# Altium PCB PCB_3U_DAC.PCBDOC (part 8 of 9) (continued)
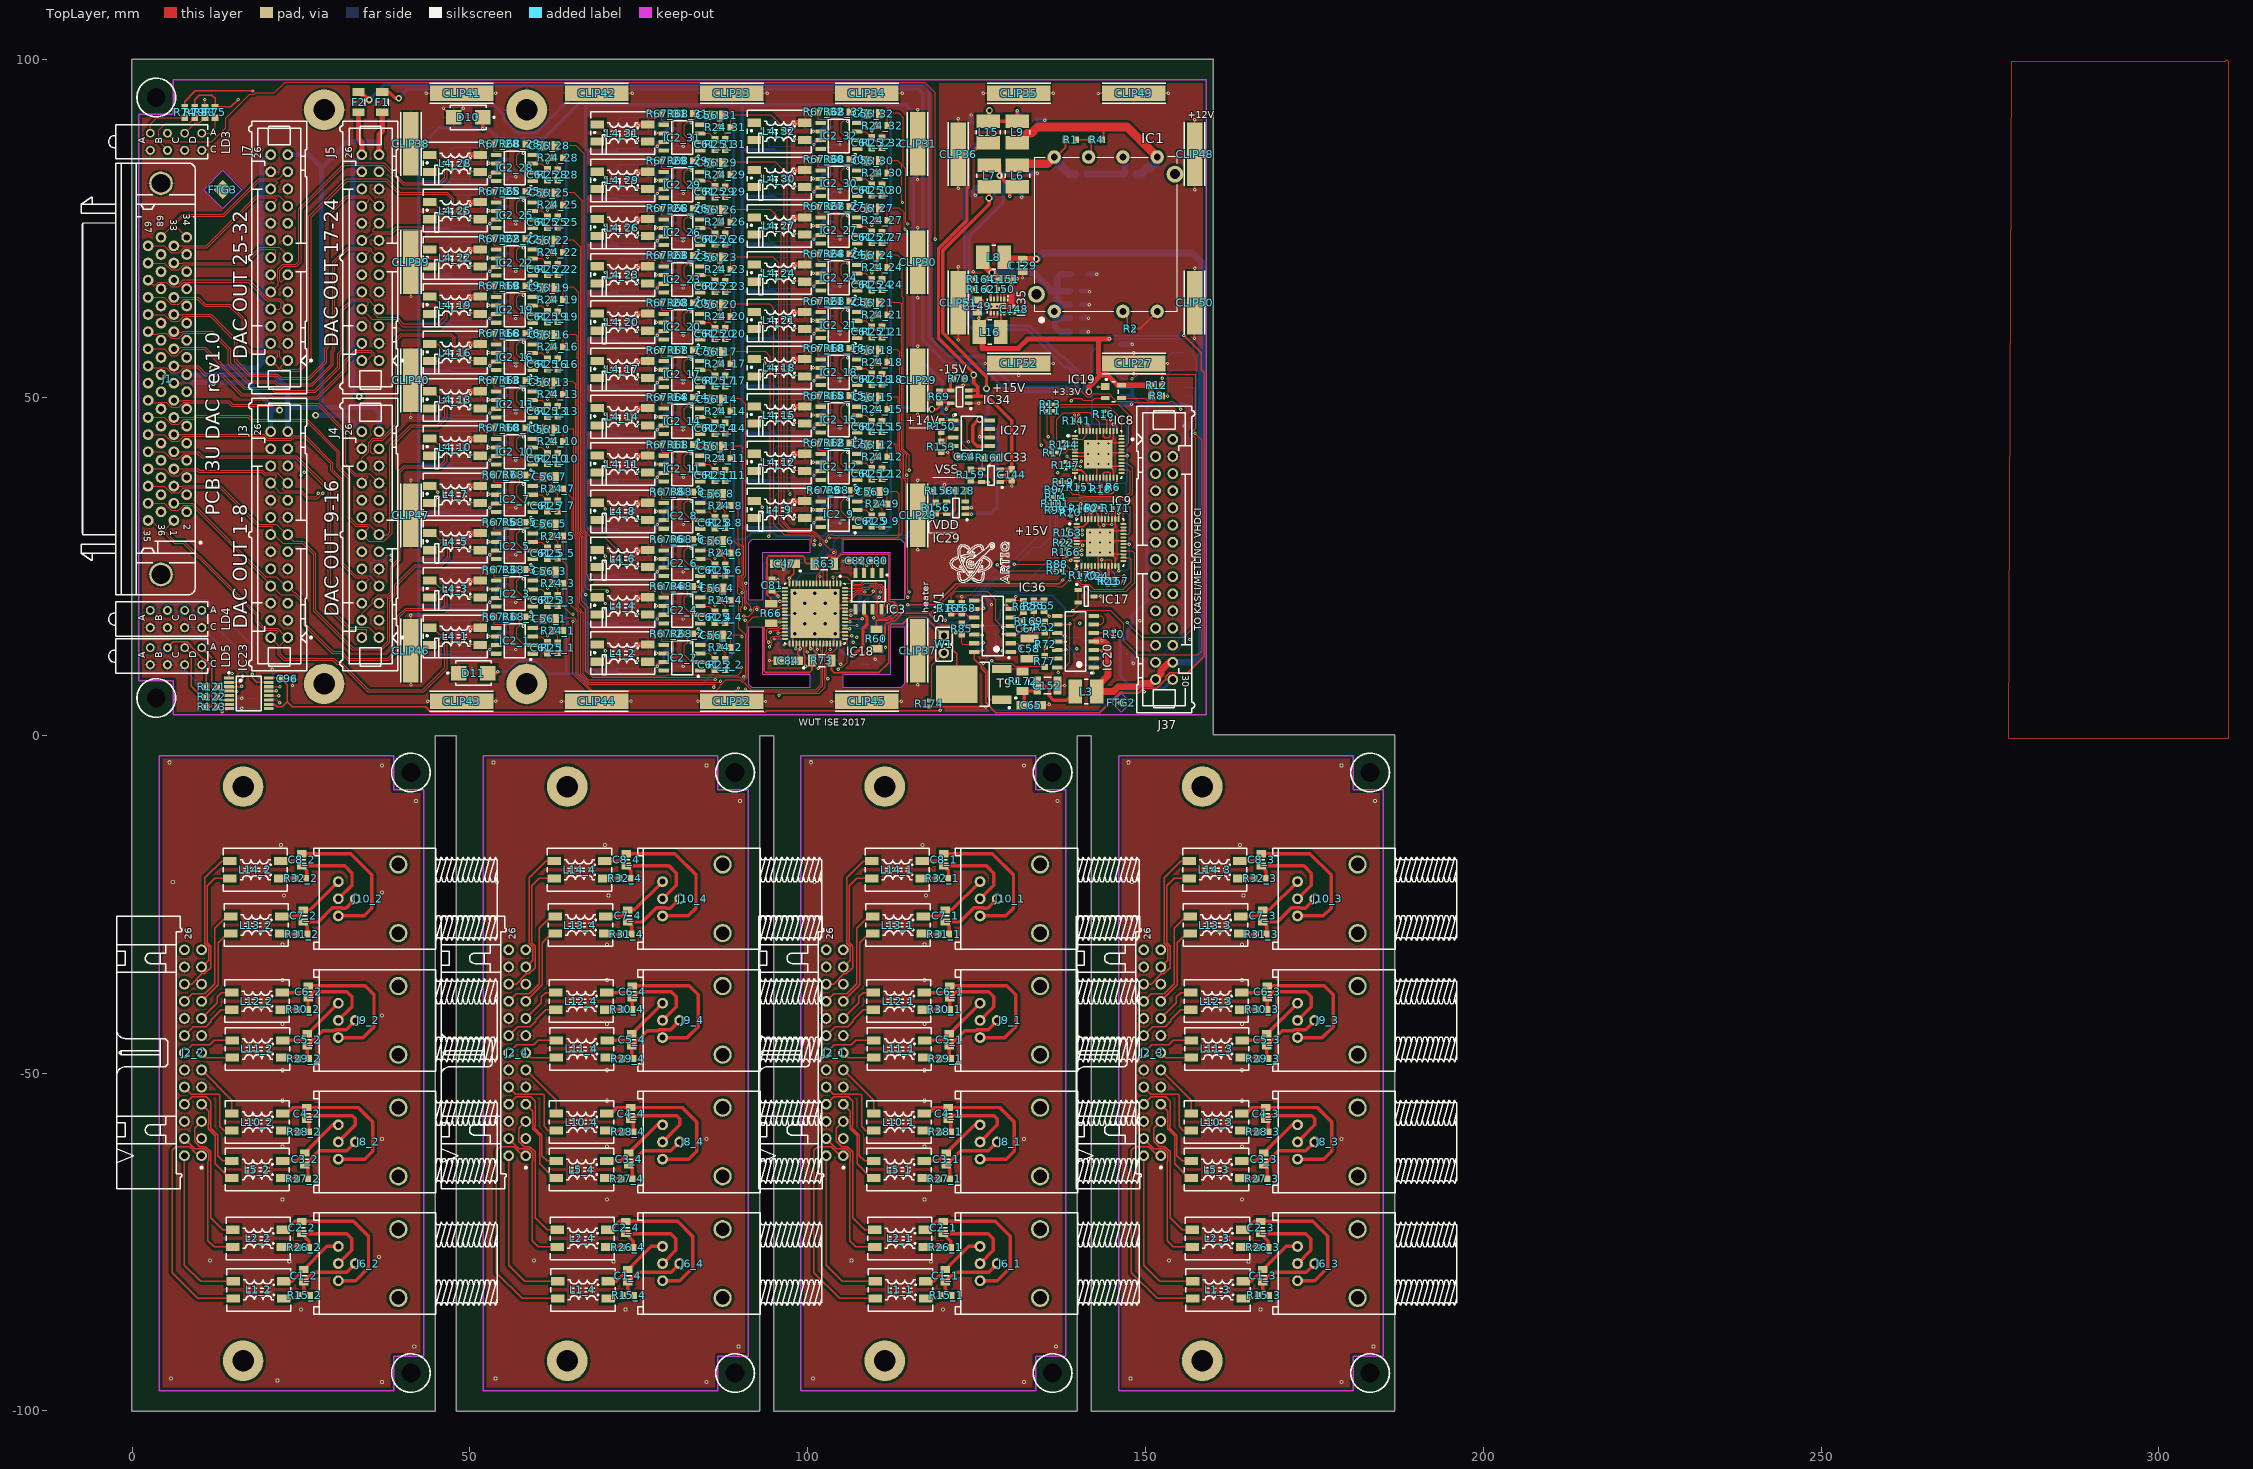
[diagram p0: TopLayer view]
## Nets (pads, with @x,y where several pads share a name; then routed paths per layer and width w, separated by ;. In a path a pad name is that pad's centre, name@x,y a point inside that pad or via, vN(x,y) a via of type N, cw(c..) or ccw(c..) an arc to the next point about the centre after c; other vN are vias at no path point) (continued)
P12V0: C66.2 C67.2 C129.2 IC20.4 IC36.4 J37.28 J37.29 L3.2 L8.2 R56.2 R165.2 R169.1 | length 149.6
  TopLayer w0.127: R165.2@121.256,19.593 121.256,20.633 121.904,21.281 126.563,21.281 127.813,20.031 127.813,17.031 v1(128.873,15.971) ; v1@128.873,16.158 IC36.4@130.08,16.158 131.569,16.158 C67.2@131.982,15.745 131.982,16.792 R169.1@131.886,16.888 ; v1@143.498,13.967 v1(143.562,14.031)
  TopLayer w1: L8.2@129.188,70.531 132.002,70.531 C129.2@132.051,70.482 ; C129.2@131.838,70.431 v4@133.956,70.431 ; IC20.4@142.592,13.967 143.498,13.967 143.735,13.967 144.44,13.262 144.44,8.83 L3.2@142.795,7.185 ; L3.2@142.795,6.474 L3.2@142.795,7.185 ; J37.28@154.276,10.919 153.639,10.919 152.275,9.556 152.275,9.046 150.903,7.673 149.33,7.673 148.852,7.195 146.005,7.195 145.285,6.474 143.506,6.474 L3.2@142.795,7.185
  BottomLayer w0.127: v1(128.873,15.971) 130.369,14.475 137.653,14.475 137.834,14.295 138.36,14.295 138.596,14.531 140.034,14.531 140.534,14.031 142.211,14.031 v1(143.562,14.031)
  BottomLayer w1: v4@133.956,70.482 134.845,71.371 156.943,71.371 158.271,70.042 158.271,12.189 156.873,10.791 J37.28@154.033,10.791
  other v4: 133.811,70.508
P12V0A: C64.2 C90_1.1 C90_2.1 C90_3.1 C90_4.1 C90_5.1 C90_6.1 C90_7.1 C90_8.1 C90_9.1 C90_10.1 C90_11.1 C90_12.1 C90_13.1 C90_14.1 C90_15.1 C90_16.1 C90_17.1 C90_18.1 C90_19.1 C90_20.1 C90_21.1 C90_22.1 C90_23.1 C90_24.1 C90_25.1 C90_26.1 C90_27.1 C90_28.1 C90_29.1 C90_30.1 C90_31.1 C90_32.1 C91_1.2 C91_2.2 C91_3.2 C91_4.2 C91_5.2 C91_6.2 C91_7.2 C91_8.2 C91_9.2 C91_10.2 C91_11.2 C91_12.2 C91_13.2 C91_14.2 C91_15.2 C91_16.2 C91_17.2 C91_18.2 C91_19.2 C91_20.2 C91_21.2 C91_22.2 C91_23.2 C91_24.2 C91_25.2 C91_26.2 C91_27.2 C91_28.2 C91_29.2 C91_30.2 C91_31.2 C91_32.2 C124.1 D5_1.2 D5_2.2 D5_3.2 D5_4.2 D5_5.2 D5_6.2 D5_7.2 D5_8.2 D5_9.2 D5_10.2 D5_11.2 D5_12.2 D5_13.2 D5_14.2 D5_15.2 D5_16.2 D5_17.2 D5_18.2 D5_19.2 D5_20.2 D5_21.2 D5_22.2 D5_23.2 D5_24.2 D5_25.2 D5_26.2 D5_27.2 D5_28.2 D5_29.2 D5_30.2 D5_31.2 D5_32.2 D10.1 IC2_1.7 IC2_2.7 IC2_3.7 IC2_4.7 IC2_5.7 IC2_6.7 IC2_7.7 IC2_8.7 IC2_9.7 IC2_10.7 IC2_11.7 IC2_12.7 IC2_13.7 IC2_14.7 IC2_15.7 IC2_16.7 IC2_17.7 IC2_18.7 IC2_19.7 IC2_20.7 IC2_21.7 IC2_22.7 IC2_23.7 IC2_24.7 IC2_25.7 IC2_26.7 IC2_27.7 IC2_28.7 IC2_29.7 IC2_30.7 IC2_31.7 IC2_32.7 IC27.1 R150.2 | length 930
  TopLayer w0.127: R150.2@119.986,46.606 119.991,46.611 IC27.1@121.563,46.611 121.563,47.294 v1(121.637,47.368) ; IC27.1@121.637,46.606 122.907,46.606 122.907,43.177 124.063,42.021 C64.2@124.063,41.206
  TopLayer w0.254: v1(52.923,12.7) 53.431,13.208 53.78,13.208 IC2_1.7@53.907,13.335 ; v1(52.923,19.7) 53.431,20.208 53.78,20.208 IC2_3.7@53.907,20.335 ; v1(52.923,26.7) 53.431,27.208 53.78,27.208 IC2_5.7@53.907,27.335 ; v1(52.923,33.7) 53.431,34.208 53.78,34.208 IC2_7.7@53.907,34.335 ; v1(52.923,40.7) 53.431,41.208 53.78,41.208 IC2_10.7@53.907,41.335 ; v1(52.923,47.7) 53.431,48.208 53.78,48.208 IC2_13.7@53.907,48.335 ; v1(52.923,54.7) 53.431,55.208 53.78,55.208 IC2_16.7@53.907,55.335 ; v1(52.923,61.7) 53.431,62.208 53.78,62.208 IC2_19.7@53.907,62.335 ; v1(52.923,68.7) 53.431,69.208 53.78,69.208 IC2_22.7@53.907,69.335 ; v1(52.923,75.7) 53.431,76.208 53.78,76.208 IC2_25.7@53.907,76.335 ; v1(52.923,82.7) 53.431,83.208 53.78,83.208 IC2_28.7@53.907,83.335 ; v1(77.723,10.2) 78.231,10.708 78.58,10.708 IC2_2.7@78.707,10.835 ; v1(77.723,17.2) 78.231,17.708 78.58,17.708 IC2_4.7@78.707,17.835 ; v1(77.723,24.2) 78.231,24.708 78.58,24.708 IC2_6.7@78.707,24.835 ; v1(77.723,31.2) 78.231,31.708 78.58,31.708 IC2_8.7@78.707,31.835 ; v1(77.723,38.2) 78.231,38.708 78.58,38.708 IC2_11.7@78.707,38.835 ; v1(77.723,45.2) 78.231,45.708 78.58,45.708 IC2_14.7@78.707,45.835 ; v1(77.723,52.2) 78.231,52.708 78.58,52.708 IC2_17.7@78.707,52.835 ; v1(77.723,59.2) 78.231,59.708 78.58,59.708 IC2_20.7@78.707,59.835 ; v1(77.723,66.2) 78.231,66.708 78.58,66.708 IC2_23.7@78.707,66.835 ; v1(77.723,73.2) 78.231,73.708 78.58,73.708 IC2_26.7@78.707,73.835 ; v1(77.723,80.2) 78.231,80.708 78.58,80.708 IC2_29.7@78.707,80.835 ; v1(77.723,87.2) 78.231,87.708 78.58,87.708 IC2_31.7@78.707,87.835 ; v1(100.923,31.45) 101.431,31.958 101.78,31.958 IC2_9.7@101.907,32.085 ; v1(100.923,38.45) 101.431,38.958 101.78,38.958 IC2_12.7@101.907,39.085 ; v1(100.923,45.45) 101.431,45.958 101.78,45.958 IC2_15.7@101.907,46.085 ; v1(100.923,52.45) 101.431,52.958 101.78,52.958 IC2_18.7@101.907,53.085 ; v1(100.923,59.45) 101.431,59.958 101.78,59.958 IC2_21.7@101.907,60.085 ; v1(100.923,66.45) 101.431,66.958 101.78,66.958 IC2_24.7@101.907,67.085 ; v1(100.923,73.45) 101.431,73.958 101.78,73.958 IC2_27.7@101.907,74.085 ; v1(100.923,80.45) 101.431,80.958 101.78,80.958 IC2_30.7@101.907,81.085 ; v1(100.923,87.45) 101.431,87.958 101.78,87.958 IC2_32.7@101.907,88.085
  TopLayer w0.508: v1(51.913,89.782) D10.1@51.913,91.456
  BottomLayer w0.127: v1(121.637,47.368) 122.526,47.368 122.78,47.114 C124.1@122.78,46.479
  BottomLayer w0.508: 42.413,11.938 42.413,11.951 ; D5_1.2@43.913,11.938 D5_1.2@43.956,11.938 ; C91_1.2@53.848,13.15 C91_1.2@53.848,13.187 ; C91_3.2@53.848,20.15 C91_3.2@53.848,20.187 ; C91_5.2@53.848,27.15 C91_5.2@53.848,27.187 ; C91_7.2@53.848,34.15 C91_7.2@53.848,34.187 ; C91_10.2@53.848,41.15 C91_10.2@53.848,41.187 ; C91_13.2@53.848,48.15 C91_13.2@53.848,48.187 ; C91_16.2@53.848,55.15 C91_16.2@53.848,55.187 ; C91_19.2@53.848,62.15 C91_19.2@53.848,62.187 ; C91_22.2@53.848,69.15 C91_22.2@53.848,69.187 ; C91_25.2@53.848,76.15 C91_25.2@53.848,76.187 ; C91_28.2@53.848,83.15 C91_28.2@53.848,83.187 ; C90_1.1@55.626,15.27 54.386,15.27 53.848,14.732 C91_1.2@53.848,13.187 ; C90_3.1@55.626,22.27 54.386,22.27 53.848,21.732 C91_3.2@53.848,20.187 ; C90_5.1@55.626,29.27 54.386,29.27 53.848,28.732 C91_5.2@53.848,27.187 ; C90_7.1@55.626,36.27 54.386,36.27 53.848,35.732 C91_7.2@53.848,34.187 ; C90_10.1@55.626,43.27 54.386,43.27 53.848,42.732 C91_10.2@53.848,41.187 ; C90_13.1@55.626,50.27 54.386,50.27 53.848,49.732 C91_13.2@53.848,48.187 ; C90_16.1@55.626,57.27 54.386,57.27 53.848,56.732 C91_16.2@53.848,55.187 ; C90_19.1@55.626,64.27 54.386,64.27 53.848,63.732 C91_19.2@53.848,62.187 ; C90_22.1@55.626,71.27 54.386,71.27 53.848,70.732 C91_22.2@53.848,69.187 ; C90_25.1@55.626,78.27 54.386,78.27 53.848,77.732 C91_25.2@53.848,76.187 ; C90_28.1@55.626,85.27 54.386,85.27 53.848,84.732 C91_28.2@53.848,83.187 ; C91_2.2@78.648,10.65 C91_2.2@78.648,10.687 ; C91_4.2@78.648,17.65 C91_4.2@78.648,17.687 ; C91_6.2@78.648,24.65 C91_6.2@78.648,24.687 ; C91_8.2@78.648,31.65 C91_8.2@78.648,31.687 ; C91_11.2@78.648,38.65 C91_11.2@78.648,38.687 ; C91_14.2@78.648,45.65 C91_14.2@78.648,45.687 ; C91_17.2@78.648,52.65 C91_17.2@78.648,52.687 ; C91_20.2@78.648,59.65 C91_20.2@78.648,59.687 ; C91_23.2@78.648,66.65 C91_23.2@78.648,66.687 ; C91_26.2@78.648,73.65 C91_26.2@78.648,73.687 ; C91_29.2@78.648,80.65 C91_29.2@78.648,80.687 ; C91_31.2@78.648,87.65 C91_31.2@78.648,87.687 ; C90_2.1@80.426,12.77 79.186,12.77 78.648,12.232 C91_2.2@78.648,10.687 ; C90_4.1@80.426,19.77 79.186,19.77 78.648,19.232 C91_4.2@78.648,17.687 ; C90_6.1@80.426,26.77 79.186,26.77 78.648,26.232 C91_6.2@78.648,24.687 ; C90_8.1@80.426,33.77 79.186,33.77 78.648,33.232 C91_8.2@78.648,31.687 ; C90_11.1@80.426,40.77 79.186,40.77 78.648,40.232 C91_11.2@78.648,38.687 ; C90_14.1@80.426,47.77 79.186,47.77 78.648,47.232 C91_14.2@78.648,45.687 ; C90_17.1@80.426,54.77 79.186,54.77 78.648,54.232 C91_17.2@78.648,52.687 ; C90_20.1@80.426,61.77 79.186,61.77 78.648,61.232 C91_20.2@78.648,59.687 ; C90_23.1@80.426,68.77 79.186,68.77 78.648,68.232 C91_23.2@78.648,66.687 ; C90_26.1@80.426,75.77 79.186,75.77 78.648,75.232 C91_26.2@78.648,73.687 ; C90_29.1@80.426,82.77 79.186,82.77 78.648,82.232 C91_29.2@78.648,80.687 ; C90_31.1@80.426,89.77 79.186,89.77 78.648,89.232 C91_31.2@78.648,87.687 ; C91_9.2@101.848,31.9 C91_9.2@101.848,31.937 ; C91_12.2@101.848,38.9 C91_12.2@101.848,38.937 ; C91_15.2@101.848,45.9 C91_15.2@101.848,45.937 ; C91_18.2@101.848,52.9 C91_18.2@101.848,52.937 ; C91_21.2@101.848,59.9 C91_21.2@101.848,59.937 ; C91_24.2@101.848,66.9 C91_24.2@101.848,66.937 ; C91_27.2@101.848,73.9 C91_27.2@101.848,73.937 ; C91_30.2@101.848,80.9 C91_30.2@101.848,80.937 ; C91_32.2@101.848,87.9 C91_32.2@101.848,87.937 ; C90_9.1@103.626,34.02 102.386,34.02 101.848,33.482 C91_9.2@101.848,31.937 ; C90_12.1@103.626,41.02 102.386,41.02 101.848,40.482 C91_12.2@101.848,38.937 ; C90_15.1@103.626,48.02 102.386,48.02 101.848,47.482 C91_15.2@101.848,45.937 ; C90_18.1@103.626,55.02 102.386,55.02 101.848,54.482 C91_18.2@101.848,52.937 ; C90_21.1@103.626,62.02 102.386,62.02 101.848,61.482 C91_21.2@101.848,59.937 ; C90_24.1@103.626,69.02 102.386,69.02 101.848,68.482 C91_24.2@101.848,66.937 ; C90_27.1@103.626,76.02 102.386,76.02 101.848,75.482 C91_27.2@101.848,73.937 ; C90_30.1@103.626,83.02 102.386,83.02 101.848,82.482 C91_30.2@101.848,80.937 ; C90_32.1@103.626,90.02 102.386,90.02 101.848,89.482 C91_32.2@101.848,87.937 ; C124.1@122.712,46.006 121.634,46.006 119.888,47.752 119.888,52.324 115.619,56.593 115.619,82.511 115.824,82.716 115.824,91.948 114.42,93.352 90.327,93.352 ; 42.413,11.951 47.019,11.951 47.405,11.565 52.208,11.565 52.906,12.263 52.906,13.187 C91_1.2@53.848,13.187 ; 42.413,11.951 42.413,18.951 ; 42.413,18.951 47.019,18.951 47.405,18.565 52.208,18.565 52.906,19.263 52.906,20.187 C91_3.2@53.848,20.187 ; 42.413,18.951 42.413,25.951 ; 42.413,25.951 47.019,25.951 47.405,25.565 52.208,25.565 52.906,26.263 52.906,27.187 C91_5.2@53.848,27.187 ; 42.413,25.951 42.413,32.951 ; 42.413,32.951 47.019,32.951 47.405,32.565 52.208,32.565 52.906,33.263 52.906,34.187 C91_7.2@53.848,34.187 ; 42.413,32.951 42.413,39.951 ; 42.413,39.951 47.019,39.951 47.405,39.565 52.208,39.565 52.906,40.263 52.906,41.187 C91_10.2@53.848,41.187 ; 42.413,39.951 42.413,46.951 ; 42.413,46.951 47.019,46.951 47.405,46.565 52.208,46.565 52.906,47.263 52.906,48.187 C91_13.2@53.848,48.187 ; 42.413,46.951 42.413,53.951 ; 42.413,53.951 47.019,53.951 47.405,53.565 52.208,53.565 52.906,54.263 52.906,55.187 C91_16.2@53.848,55.187 ; 42.413,53.951 42.413,60.951 ; 42.413,60.951 47.019,60.951 47.405,60.565 52.208,60.565 52.906,61.263 52.906,62.187 C91_19.2@53.848,62.187 ; 42.413,60.951 42.413,67.951 ; 42.413,67.951 47.019,67.951 47.405,67.565 52.208,67.565 52.906,68.263 52.906,69.187 C91_22.2@53.848,69.187 ; 42.413,67.951 42.413,74.951 ; 42.413,74.951 47.019,74.951 47.405,74.565 52.208,74.565 52.906,75.263 52.906,76.187 C91_25.2@53.848,76.187 ; 42.413,74.951 42.413,81.951 ; 42.413,81.951 47.019,81.951 47.405,81.565 52.208,81.565 52.906,82.263 52.906,83.187 C91_28.2@53.848,83.187 ; 42.413,81.951 42.413,86.863 42.45,86.9 43.026,86.9 43.395,87.27 43.395,87.845 45.466,89.916 52.578,89.916 54.218,88.276 60.944,88.276 66.204,93.535 67.31,93.535 67.127,93.352 ; 67.127,16.451 71.819,16.451 72.205,16.065 77.008,16.065 77.706,16.763 77.706,17.687 C91_4.2@78.648,17.687 ; 67.127,16.451 67.127,19.96 66.523,20.564 66.523,21.087 67.127,21.691 67.127,23.451 ; 67.127,16.451 67.127,9.451 71.819,9.451 72.205,9.065 77.008,9.065 77.706,9.763 77.706,10.687 C91_2.2@78.648,10.687 ; 67.127,23.451 67.291,23.615 68.05,23.615 68.214,23.451 71.819,23.451 72.205,23.065 77.008,23.065 77.706,23.763 77.706,24.687 C91_6.2@78.648,24.687 ; 67.127,23.451 67.127,30.451 ; 67.127,30.451 71.819,30.451 72.205,30.065 77.008,30.065 77.706,30.763 77.706,31.687 C91_8.2@78.648,31.687 ; 67.127,30.451 67.127,37.451 ; 67.127,37.451 71.819,37.451 72.205,37.065 77.008,37.065 77.706,37.763 77.706,38.687 C91_11.2@78.648,38.687 ; 67.127,37.451 67.127,44.451 ; 67.127,44.451 71.819,44.451 72.205,44.065 77.008,44.065 77.706,44.763 77.706,45.687 C91_14.2@78.648,45.687 ; 67.127,44.451 67.127,51.451 ; 67.127,51.451 71.819,51.451 72.205,51.065 77.008,51.065 77.706,51.763 77.706,52.687 C91_17.2@78.648,52.687 ; 67.127,51.451 67.127,58.451 ; 67.127,58.451 71.819,58.451 72.205,58.065 77.008,58.065 77.706,58.763 77.706,59.687 C91_20.2@78.648,59.687 ; 67.127,58.451 67.127,65.451 ; 67.127,65.451 71.819,65.451 72.205,65.065 77.008,65.065 77.706,65.763 77.706,66.687 C91_23.2@78.648,66.687 ; 67.127,65.451 67.127,72.451 ; 67.127,72.451 71.819,72.451 72.205,72.065 77.008,72.065 77.706,72.763 77.706,73.687 C91_26.2@78.648,73.687 ; 67.127,72.451 67.127,79.451 ; 67.127,79.451 71.819,79.451 72.205,79.065 77.008,79.065 77.706,79.763 77.706,80.687 C91_29.2@78.648,80.687 ; 67.127,79.451 67.127,86.451 ; 67.127,86.451 71.819,86.451 72.205,86.065 77.008,86.065 77.706,86.763 77.706,87.687 C91_31.2@78.648,87.687 ; 67.127,86.451 67.127,93.352 ; 67.127,93.352 90.327,93.352 ; 90.327,37.701 95.019,37.701 95.405,37.315 100.208,37.315 100.906,38.013 100.906,38.937 C91_12.2@101.848,38.937 ; 90.327,37.701 90.327,44.701 ; 90.327,37.701 90.327,30.701 95.019,30.701 95.405,30.315 100.208,30.315 100.906,31.013 100.906,31.937 C91_9.2@101.848,31.937 ; 90.327,44.701 95.019,44.701 95.405,44.315 100.208,44.315 100.906,45.013 100.906,45.937 C91_15.2@101.848,45.937 ; 90.327,44.701 90.327,51.701 ; 90.327,51.701 95.019,51.701 95.405,51.315 100.208,51.315 100.906,52.013 100.906,52.937 C91_18.2@101.848,52.937 ; 90.327,51.701 90.327,58.701 ; 90.327,58.701 95.019,58.701 95.405,58.315 100.208,58.315 100.906,59.013 100.906,59.937 C91_21.2@101.848,59.937 ; 90.327,58.701 90.327,65.701 ; 90.327,65.701 95.019,65.701 95.405,65.315 100.208,65.315 100.906,66.013 100.906,66.937 C91_24.2@101.848,66.937 ; 90.327,65.701 90.327,72.701 ; 90.327,72.701 95.019,72.701 95.405,72.315 100.208,72.315 100.906,73.013 100.906,73.937 C91_27.2@101.848,73.937 ; 90.327,72.701 90.327,79.701 ; 90.327,79.701 95.019,79.701 95.405,79.315 100.208,79.315 100.906,80.013 100.906,80.937 C91_30.2@101.848,80.937 ; 90.327,79.701 90.327,86.701 ; 90.327,86.701 95.019,86.701 95.405,86.315 100.208,86.315 100.906,87.013 100.906,87.937 C91_32.2@101.848,87.937 ; 90.327,86.701 90.327,93.352
P13V0_SCSI: F1.1 J1.18 J3.25 J4.25 J5.25 J7.25 | length 98.3
  TopLayer w0.762: J5.25@36.532,85.946 36.532,88.883 37.013,89.363 F1.1@37.013,92.206
  BottomLayer w0.762: J1.18@8.07,53.391 8.116,53.345 12.326,53.345 12.372,53.391 20.999,53.391 23.032,51.357 23.032,48.511 ; J3.25@23.032,44.946 23.032,48.511 ; J7.25@23.032,85.946 26.163,85.946 28.038,84.071 ; J4.25@36.532,44.946 36.532,47.763 35.785,48.511 28.038,48.511 ; J5.25@36.532,85.946 36.532,87.133 35.785,87.881 31.975,87.881 28.165,84.071 28.038,84.071 ; 23.032,48.511 28.038,48.511 ; 28.038,48.511 28.038,84.071
P13V0_SCSI_1: J2_1.25
P13V0_SCSI_2: J2_2.25
P13V0_SCSI_3: J2_3.25
P13V0_SCSI_4: J2_4.25
REF_6V: IC16.1 IC20.10 IC36.8 IC36.9 | length 48.5
  TopLayer w0.203: IC36.9@124.68,18.698 v1@125.979,18.698 ; IC36.8@124.68,19.968 125.626,19.968 125.979,19.615 v1@125.979,18.781 ; IC20.10@136.935,15.142 137.353,15.142 137.76,14.735 v1(138.016,14.735)
  BottomLayer w0.203: IC16.1@102.583,17.854 102.636,17.854 104.207,16.284 105.081,16.284 105.112,16.253 105.141,16.253 105.172,16.284 106.578,16.284 107.087,15.775 111.323,15.775 112.063,16.514 119.133,16.514 119.389,16.257 120.68,16.257 120.937,16.514 123.421,16.514 127.917,21.01 131.011,21.01 131.322,20.698 136.115,20.698 138.016,18.796 v1(138.016,14.735)
  other v1: 126.063,18.781
SCKI: IC18.54 IC23.11 R11.1 R82.2 R117.2 | length 177.3
  TopLayer w0.152: IC23.11@20.213,5.231 21.406,5.231 v1(21.815,4.823) ; IC18.54@105.513,16.781 v1(106.25,16.781) ; R11.1@135.424,48.003 135.424,44.376 v1(135.607,44.193)
  Signal Layer 1 w0.152: v1(21.815,4.823) 23.31,3.327 118.363,3.327 119.351,4.315 119.351,10.922 119.139,11.134 119.139,16.041 120.113,17.015 v1(120.367,17.015) 120.621,17.015 125.32,21.714 129.765,21.714 136.897,28.846 136.897,38.282 136.533,38.646 136.533,43.267 v1(135.607,44.193) ; v1(106.25,16.781) 106.687,16.344 106.687,15.527 106.342,15.182 106.336,15.182 106.07,14.917 106.07,14.541 106.75,13.862 v1(106.75,13.75)
  BottomLayer w0.152: R82.2@20.05,4 20.991,4 v1(21.815,4.823) ; v1(106.25,16.781) 106.324,16.706 107.473,16.706 107.802,16.377 111.1,16.377 111.821,17.098 119.375,17.098 119.428,17.045 120.337,17.045 v1(120.367,17.015) v1@120.322,17.015 ; v1(106.75,13.75) 106.919,13.581 R117.2@107.75,13.581
SDI: IC18.55 IC23.14 R13.1 R58.2 R116.2 | length 180.2
  TopLayer w0.152: IC23.14@20.213,7.181 v1(21.869,7.181) ; IC18.55@105.513,17.281 108.036,17.281 v1(108.048,17.269) ; v1(134.591,42.923) 134.421,43.093 134.421,48.46 134.929,48.968 R13.1@135.424,48.968
  Signal Layer 1 w0.152: v1(21.869,7.181) 21.869,6.673 24.682,3.861 117.192,3.861 118.335,5.004 118.335,17.015 119.097,17.777 v1(119.732,17.777) 122.359,20.405 122.359,20.719 124.752,23.111 129.582,23.111 134.882,28.411 134.882,42.632 v1(134.591,42.923) ; v1(107.25,14.5) 107.25,15 108.048,15.798 v1(108.048,17.269)
  BottomLayer w0.152: R58.2@20.05,7.25 21.801,7.25 v1(21.869,7.181) ; R116.2@106.2,10.5 106.219,10.5 107,11.281 107,12.468 106.336,13.132 106.336,13.523 106.297,13.562 106.297,13.938 106.635,14.276 106.711,14.276 106.935,14.5 v1(107.25,14.5) ; v1(108.048,17.269) 108.81,17.269 109.143,16.936 109.938,16.936 110.203,17.201 110.203,17.411 110.449,17.657 113.515,17.657 113.636,17.777 v1(119.732,17.777)
VOUT1: IC18.42 R24_1.1 | length 57
  TopLayer w0.127: R24_1.1@63.792,15.494 63.792,16.995 64.166,17.369 65.403,17.369 65.757,17.015 65.757,8.953 68.038,6.672 86.516,6.672 87.025,7.181 87.025,7.444 87.138,7.558 87.275,7.558 87.533,7.816 87.533,7.952 87.833,8.252 89.92,8.252 90.234,7.939 90.437,7.939 91.626,6.75 101.211,6.75 101.976,7.514 101.976,12.673 101.884,12.765 101.884,13.51 IC18.42@101.813,13.581
VOUT2: IC18.43 R24_2.1 | length 29.9
  TopLayer w0.127: R24_2.1@88.592,12.994 88.592,14.495 88.966,14.869
  TopLayer w0.152: 88.966,14.869 90.255,14.869 90.268,14.856 v1(90.268,14.602) ; v1(90.786,6.841) 90.988,6.638 91.36,6.638 91.525,6.474 101.313,6.474 102.242,7.404 102.242,13.511 IC18.43@102.313,13.581
  Signal Layer 1 w0.152: v1(90.268,14.602) 90.268,11.232 90.75,10.75 90.75,9.046 90.975,8.821 90.975,8.445 90.786,8.257 v1(90.786,6.841)
VOUT3: IC18.44 R24_3.1 | length 60.6
  TopLayer w0.127: R24_3.1@63.792,22.494 63.792,19.088 64.976,17.904 v1(65.249,17.904) ; v1(65.249,16.888) 65.249,9.101 67.932,6.418 89.168,6.418 v1(89.75,7) ; v1(95.75,5.899) 96.058,6.207 101.685,6.207 102.587,7.109 102.587,8.137 102.509,8.215 102.509,12.13 102.587,12.208 102.587,12.316 102.813,12.542 IC18.44@102.813,13.581
  Signal Layer 1 w0.127: v1(65.249,16.888) v1(65.249,17.904) ; v1(89.75,7) 89.75,6.859 90.488,6.121 91.084,6.121 91.145,6.181 95.468,6.181 v1(95.75,5.899)
VOUT4: IC18.45 R24_4.1 | length 34.1
  TopLayer w0.127: R24_4.1@88.592,19.994 89.683,19.994 89.814,19.863 89.814,19.512
  TopLayer w0.152: 89.814,19.512 89.814,15.853 90.795,14.873 90.795,8.907 v1(90.522,8.633) ; IC18.45@103.313,13.581 103.313,12.733 v1(103.349,12.697)
  Signal Layer 1 w0.152: v1(90.522,8.633) 90.333,8.445 90.333,6.653 90.598,6.387 90.974,6.387 91.034,6.448 95.842,6.448 96.07,6.22 100.682,6.22 102.206,7.744 102.206,11.381 103.349,12.524 v1(103.349,12.697)
VOUT5: IC18.47 R24_5.1 | length 69.3
  TopLayer w0.127: R24_5.1@63.792,29.494 63.792,25.667 64.433,25.026 64.433,19.78 66.011,18.202 66.011,9.058 67.511,7.558 86.39,7.558 86.106,7.274 v1(86.106,7.112) ; v1(102.968,8.379) 102.763,8.584 102.763,12.025 103.054,12.316 103.107,12.316 103.166,12.257 103.67,12.257 104.313,12.899 IC18.47@104.313,13.581
  Signal Layer 1 w0.127: v1(86.106,7.112) 87.222,7.112 87.474,7.363 89.379,5.458 95.209,5.458 95.462,5.205 101.063,5.205 103.095,7.236 103.095,8.252 v1(102.968,8.379)
VOUT6: IC18.48 R24_6.1 | length 36.2
  TopLayer w0.127: R24_6.1@88.592,26.994 88.592,28.495 88.966,28.869 89.827,28.007 89.827,23.772 89.61,23.554 89.61,22.451 89.606,22.448 89.606,21.118 90.395,20.329 90.395,19.174 90.081,18.861 90.081,17.468 90.534,17.015 v1(90.776,17.015) ; IC18.48@104.813,13.581 105.376,13.581 v1(105.381,13.586)
  Signal Layer 1 w0.127: v1(90.776,17.015) 93.57,17.015 94.87,15.715 94.87,14.887 94.451,14.468 94.451,14.176 94.846,13.781 95.06,13.781 96.181,12.659 97.481,12.659 98.086,13.265 99.122,13.265 99.471,12.916 99.471,12.141 99.729,11.883 100.109,11.883 101.003,12.777 101.003,12.88 101.261,13.138 101.729,13.138 102.745,14.154 104.813,14.154 v1(105.381,13.586)
VOUT7: IC18.49 R24_7.1 | length 76.3
  TopLayer w0.127: R24_7.1@63.792,36.494 63.792,36.411 65.122,35.081 65.122,29.633 65.757,28.998 65.757,18.815 66.392,18.18 66.392,9.036 67.616,7.812 86.906,7.812 v1(87.093,7.998) ; v1(104.5,9.75) 104.5,9.784 104.788,10.072 105.092,10.072 105.821,10.801 105.821,13.973 IC18.49@105.513,14.281
  Signal Layer 1 w0.127: v1(87.093,7.998) 87.601,7.998 89.887,5.712 95.314,5.712 95.568,5.459 100.809,5.459 102.527,7.177 102.527,8.562 102.785,8.82 103.535,8.82 104.465,9.75 v1(104.5,9.75)
VOUT8: IC18.50 R24_8.1 | length 41.5
  TopLayer w0.127: R24_8.1@88.592,33.994 89.437,33.994 89.725,33.706
  TopLayer w0.152: 89.725,33.706 89.725,28.517 90.268,27.975 90.268,23.835 89.876,23.444 89.876,22.34 89.873,22.337 89.873,22.019 90.268,21.625 v1(90.268,21.079) ; IC18.50@105.513,14.781 105.565,14.729 v1(106.524,14.729)
  Signal Layer 1 w0.152: v1(90.268,21.079) 90.268,20.089 90.793,19.564 93.053,19.564 93.697,18.92 97.507,18.92 98.821,20.234 99.854,20.234 99.898,20.19 100.174,20.19 101.063,19.301 101.798,19.301 102.271,18.828 103.06,18.828 103.66,19.428 105.375,19.428 106.209,20.262 106.584,20.262 107.286,19.561 107.286,16.894 107.739,16.441 107.739,15.944 v1(106.524,14.729)
VOUT9: IC18.21 R24_9.1 | length 41.3
  TopLayer w0.127: v1(95.863,19.809) 95.785,19.809 95.757,19.781 IC18.21@96.613,19.781 ; v1(102.714,28.699) 102.781,28.767 102.781,29.39 103.039,29.648 103.797,29.648 103.857,29.588 113.255,29.588 113.509,29.842 113.509,35.684 113.074,36.119 112.166,36.119 111.792,35.745 R24_9.1@111.792,34.244
  BottomLayer w0.127: 95.602,19.809 v1(95.863,19.809) 95.355,19.301 94.078,19.301 93.77,19.609 93.77,24.709 95.094,26.032 101.444,26.032 102.714,27.302 v1(102.714,28.699)
VOUT10: IC18.22 R24_10.1 | length 79.6
  TopLayer w0.127: R24_10.1@63.792,43.494 63.792,44.995 64.166,45.369 65.343,45.369 65.376,45.336 65.376,29.738 66.011,29.103 66.011,18.92 66.773,18.158 66.773,9.014 67.535,8.252 v1(86.331,8.252) ; v1(90.522,17.65) 91.271,17.65 91.978,18.357 91.978,18.841 92.244,19.107 92.609,19.107 93,18.716 95.564,18.716 95.676,18.827 95.676,18.868 96.09,19.281 IC18.22@96.613,19.281
  Signal Layer 1 w0.127: v1(86.331,8.252) 86.517,8.439 87.275,8.439 87.334,8.379 87.601,8.379 89.887,10.665 89.887,10.877 89.573,11.191 89.573,16.829 90.395,17.65 v1(90.522,17.65)
VOUT11: IC18.23 R24_11.1 | length 34.1
  TopLayer w0.127: R24_11.1@88.592,40.994 88.592,42.495 88.966,42.869 90.068,42.869 90.395,42.542 90.395,28.225 90.534,28.085 90.534,23.724 90.19,23.38 90.19,22.811 90.143,22.764 90.143,22.23 90.14,22.227 90.14,22.176 90.534,21.782 90.534,21.435 90.708,21.262 90.708,20.897 90.649,20.837 90.649,19.577 90.776,19.45 v1(90.776,18.793) ; v1(92.427,18.666) 92.631,18.462 95.67,18.462 95.989,18.781 IC18.23@96.613,18.781
  Signal Layer 1 w0.127: v1(90.776,18.793) 91.169,18.793 91.355,18.98 91.72,18.98 91.906,18.793 92.3,18.793 v1(92.427,18.666)
VOUT12: IC18.24 R24_12.1 | length 50.1
  TopLayer w0.127: v1(95.729,17.904) 95.729,18.031 95.979,18.281 IC18.24@96.613,18.281 ; v1(103.222,29.207) 103.222,29.222 113.269,29.222 114.017,29.969 114.017,37.772 113.703,38.085 113.703,41.371 113.128,41.946 113.128,43.119 112.166,43.119 111.792,42.745 R24_12.1@111.792,41.244
  Signal Layer 1 w0.127: v1(95.729,17.904) v1@95.729,18.031
  BottomLayer w0.127: v1(95.729,17.904) 94.713,17.904 93.516,19.101 93.516,25.344 94.459,26.286 101.19,26.286 102.333,27.429 102.333,27.937 102.273,27.997 102.273,28.906 102.574,29.207 v1(103.222,29.207)
VOUT13: IC18.26 R24_13.1 | length 85.6
  TopLayer w0.127: R24_13.1@63.792,50.494 63.792,51.995 64.166,52.369 65.201,52.369 65.63,51.94 65.63,29.843 66.265,29.208 66.265,19.555 67.154,18.666 67.154,9.544 68.146,8.552 86.007,8.552 86.148,8.693 86.706,8.693 86.765,8.633 89.899,8.633 90.339,8.193 90.704,8.193 91.062,8.55 91.062,15.437 91.042,15.457 91.042,16.647 91.919,17.523 95.487,17.523 95.729,17.281 IC18.26@96.613,17.281
VOUT14: IC18.27 R24_14.1 | length 41.2
  TopLayer w0.127: R24_14.1@88.592,47.994 88.592,49.495 88.966,49.869 89.926,49.869 90.788,49.006 90.788,23.619 90.444,23.275 90.444,22.706 90.397,22.659 90.397,22.294 90.788,21.902 90.788,21.541 90.962,21.367 90.962,20.792 90.903,20.732 90.903,19.682 91.538,19.047 v1(91.538,18.539) ; v1(95.863,16.761) 95.883,16.781 IC18.27@96.613,16.781
  Signal Layer 1 w0.127: v1(91.538,18.539) 92.3,17.777 94.84,17.777 95.856,16.761 v1(95.863,16.761)
VOUT15: IC18.28 R24_15.1 | length 66.5
  TopLayer w0.127: v1(94.25,13.75) 94.25,13.829 93.951,14.128 93.951,15.58 94.186,15.816 95.564,15.816 96.03,16.281 IC18.28@96.613,16.281 ; R24_15.1@111.792,48.244 111.792,49.745 112.166,50.119 113.298,50.119 113.382,50.035 113.382,42.052 113.957,41.476 113.957,38.191 114.525,37.623 114.525,20.825 114.779,20.571 v1(114.779,20.444)
  Signal Layer 1 w0.127: v1@94.289,13.789 94.552,13.527 94.955,13.527 96.237,12.245 98.352,12.245 98.968,11.629 100.998,11.629 101.884,12.515 101.884,12.933 102.85,13.9 104.047,13.9 105.145,12.801 107.898,12.801 110.334,15.237 110.334,16.253 111.731,17.65 113.75,17.65 115.219,19.119 115.219,19.484 114.779,19.924 v1(114.779,20.444)
VOUT16: IC18.29 R24_16.1 | length 91.4
  TopLayer w0.127: R24_16.1@63.792,57.494 63.792,58.995 64.166,59.369 65.567,59.369 65.884,59.052 65.884,29.948 66.519,29.313 66.519,19.936 67.535,18.92 67.535,9.522 68.251,8.806 78.991,8.806 79.132,8.947 86.811,8.947 86.87,8.887 89.633,8.887 90.141,9.395 v1(90.141,10.03) ; v1(94.43,15.25) 94.663,15.483 94.937,15.483 95.015,15.562 95.687,15.562 95.93,15.805 96.589,15.805 IC18.29@96.613,15.781
  Signal Layer 1 w0.127: v1(90.141,10.03) 90.141,10.982 89.827,11.296 89.827,15.827 90.222,16.222 93.352,16.222 94.324,15.25 v1(94.43,15.25)
VOUT17: IC18.30 R24_17.1 | length 55.6
  TopLayer w0.127: R24_17.1@88.592,54.994 88.592,56.495 88.966,56.869 93.672,56.869 94.482,56.058 94.482,29.712 v1(94.234,29.464) ; v1@95.685,15.281 IC18.30@96.613,15.281
  Signal Layer 1 w0.127: v1(90.837,22.476) 90.837,22.541 90.776,22.603 90.776,28.572 91.796,29.592 93.294,29.592 93.422,29.464 v1(94.234,29.464)
  BottomLayer w0.127: v1(90.837,22.476) 90.837,20.001 91.284,19.555 92.427,19.555 92.427,19.289 95.602,16.114 v1(95.602,15.11)
VOUT18: IC18.31 R24_18.1 | length 72.9
  TopLayer w0.127: v1(94.332,13.078) 94.69,13.437 94.69,13.937 94.559,14.068 94.559,14.432 94.817,14.69 95.182,14.69 95.211,14.662 95.5,14.662 95.508,14.67 95.832,14.67 95.944,14.781 IC18.31@96.613,14.781 ; R24_18.1@111.792,55.244 111.792,56.745 112.166,57.119 113.206,57.119 113.636,56.689 113.636,42.157 114.211,41.581 114.211,38.296 114.469,38.038 114.733,38.038 114.779,37.992 114.779,21.46 v1(115.033,21.206)
  Signal Layer 1 w0.127: v1(94.332,13.078) 95.044,13.078 96.131,11.991 98.247,11.991 98.863,11.375 101.103,11.375 102.138,12.41 102.138,12.828 102.956,13.646 103.942,13.646 105.04,12.547 108.449,12.547 110.588,14.686 110.588,15.872 111.858,17.142 113.602,17.142 115.473,19.014 115.473,20.766 v1(115.033,21.206)
VOUT19: IC18.32 R24_19.1 | length 83.6
  TopLayer w0.127: R24_19.1@63.792,64.494 63.792,65.995 64.166,66.369 65.298,66.369 66.138,65.529 66.138,30.054 66.773,29.419 66.773,21.206 v1(67.154,20.825) ; v1(95,14.25) 94.931,14.25 94.9,14.281 IC18.32@96.613,14.281
  Signal Layer 1 w0.127: v1(67.154,20.825) 67.211,20.768 79.369,20.768 79.785,21.184 87.892,21.184 90.081,18.994 90.081,18.506 90.488,18.099 90.708,18.099 91.538,17.269 93.675,17.269 95.124,15.82 95.124,14.782 95,14.657 v1(95,14.25)
VOUT20: IC18.33 R24_20.1 | length 83
  TopLayer w0.127: R24_20.1@88.592,61.994 88.592,63.495 88.966,63.869 94.341,63.869 94.967,63.243 94.967,31.239 96.491,29.715 100.174,29.715 100.682,29.207 100.622,29.148 100.622,28.505 v1(100.936,28.191) ; v1(96.491,13.354) 96.718,13.581 IC18.33@97.313,13.581
  Signal Layer 1 w0.127: v1(96.491,13.354) 97.417,14.281 101.761,14.281 103.456,15.976 104.454,15.976 105.007,15.422 105.007,14.942 106.309,13.64 106.309,13.568 106.567,13.309 106.932,13.309 109.064,15.441 109.064,17.093 109.055,17.101 109.055,17.677 109.064,17.685 109.064,19.628 108.526,20.165 108.487,20.165 107.756,20.897 107.109,20.897 106.524,21.482 106.524,22.117 104.767,23.873 102.185,23.873 100.809,25.25 100.809,28.064 v1(100.936,28.191)